# KiCad board left.kicad_pcb
title: Lakemountain Left; date: 2023-03-12; rev: 1; company: Lakemountain Keyboards
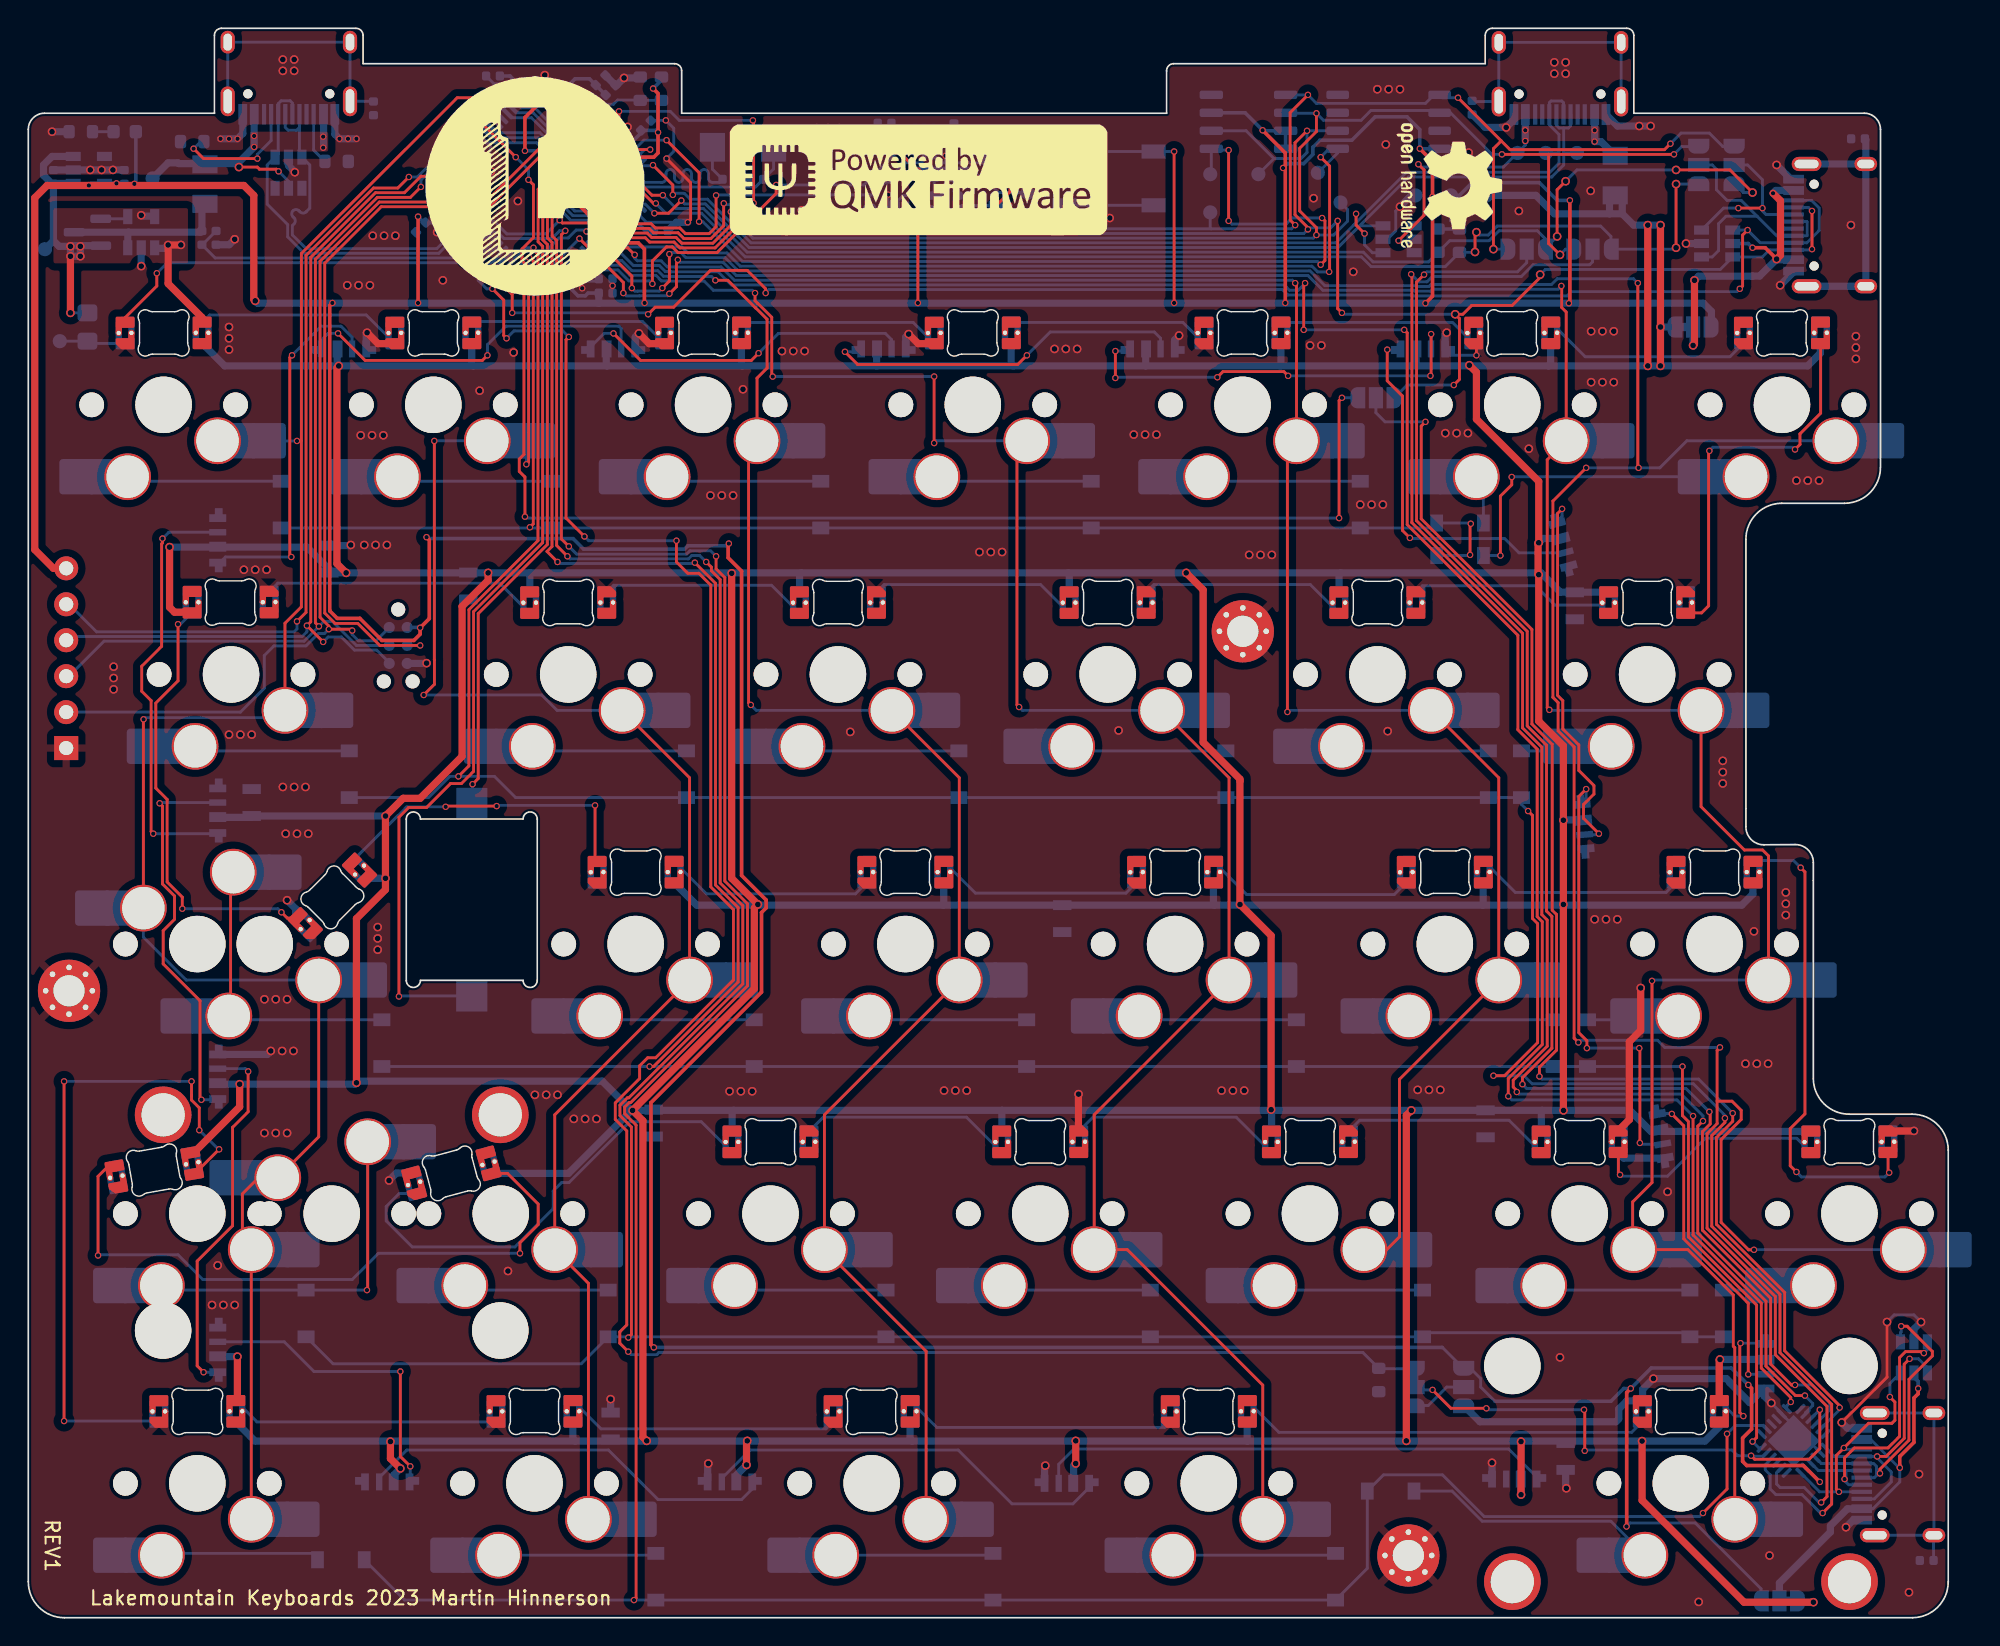
[diagram p0: board, top side]
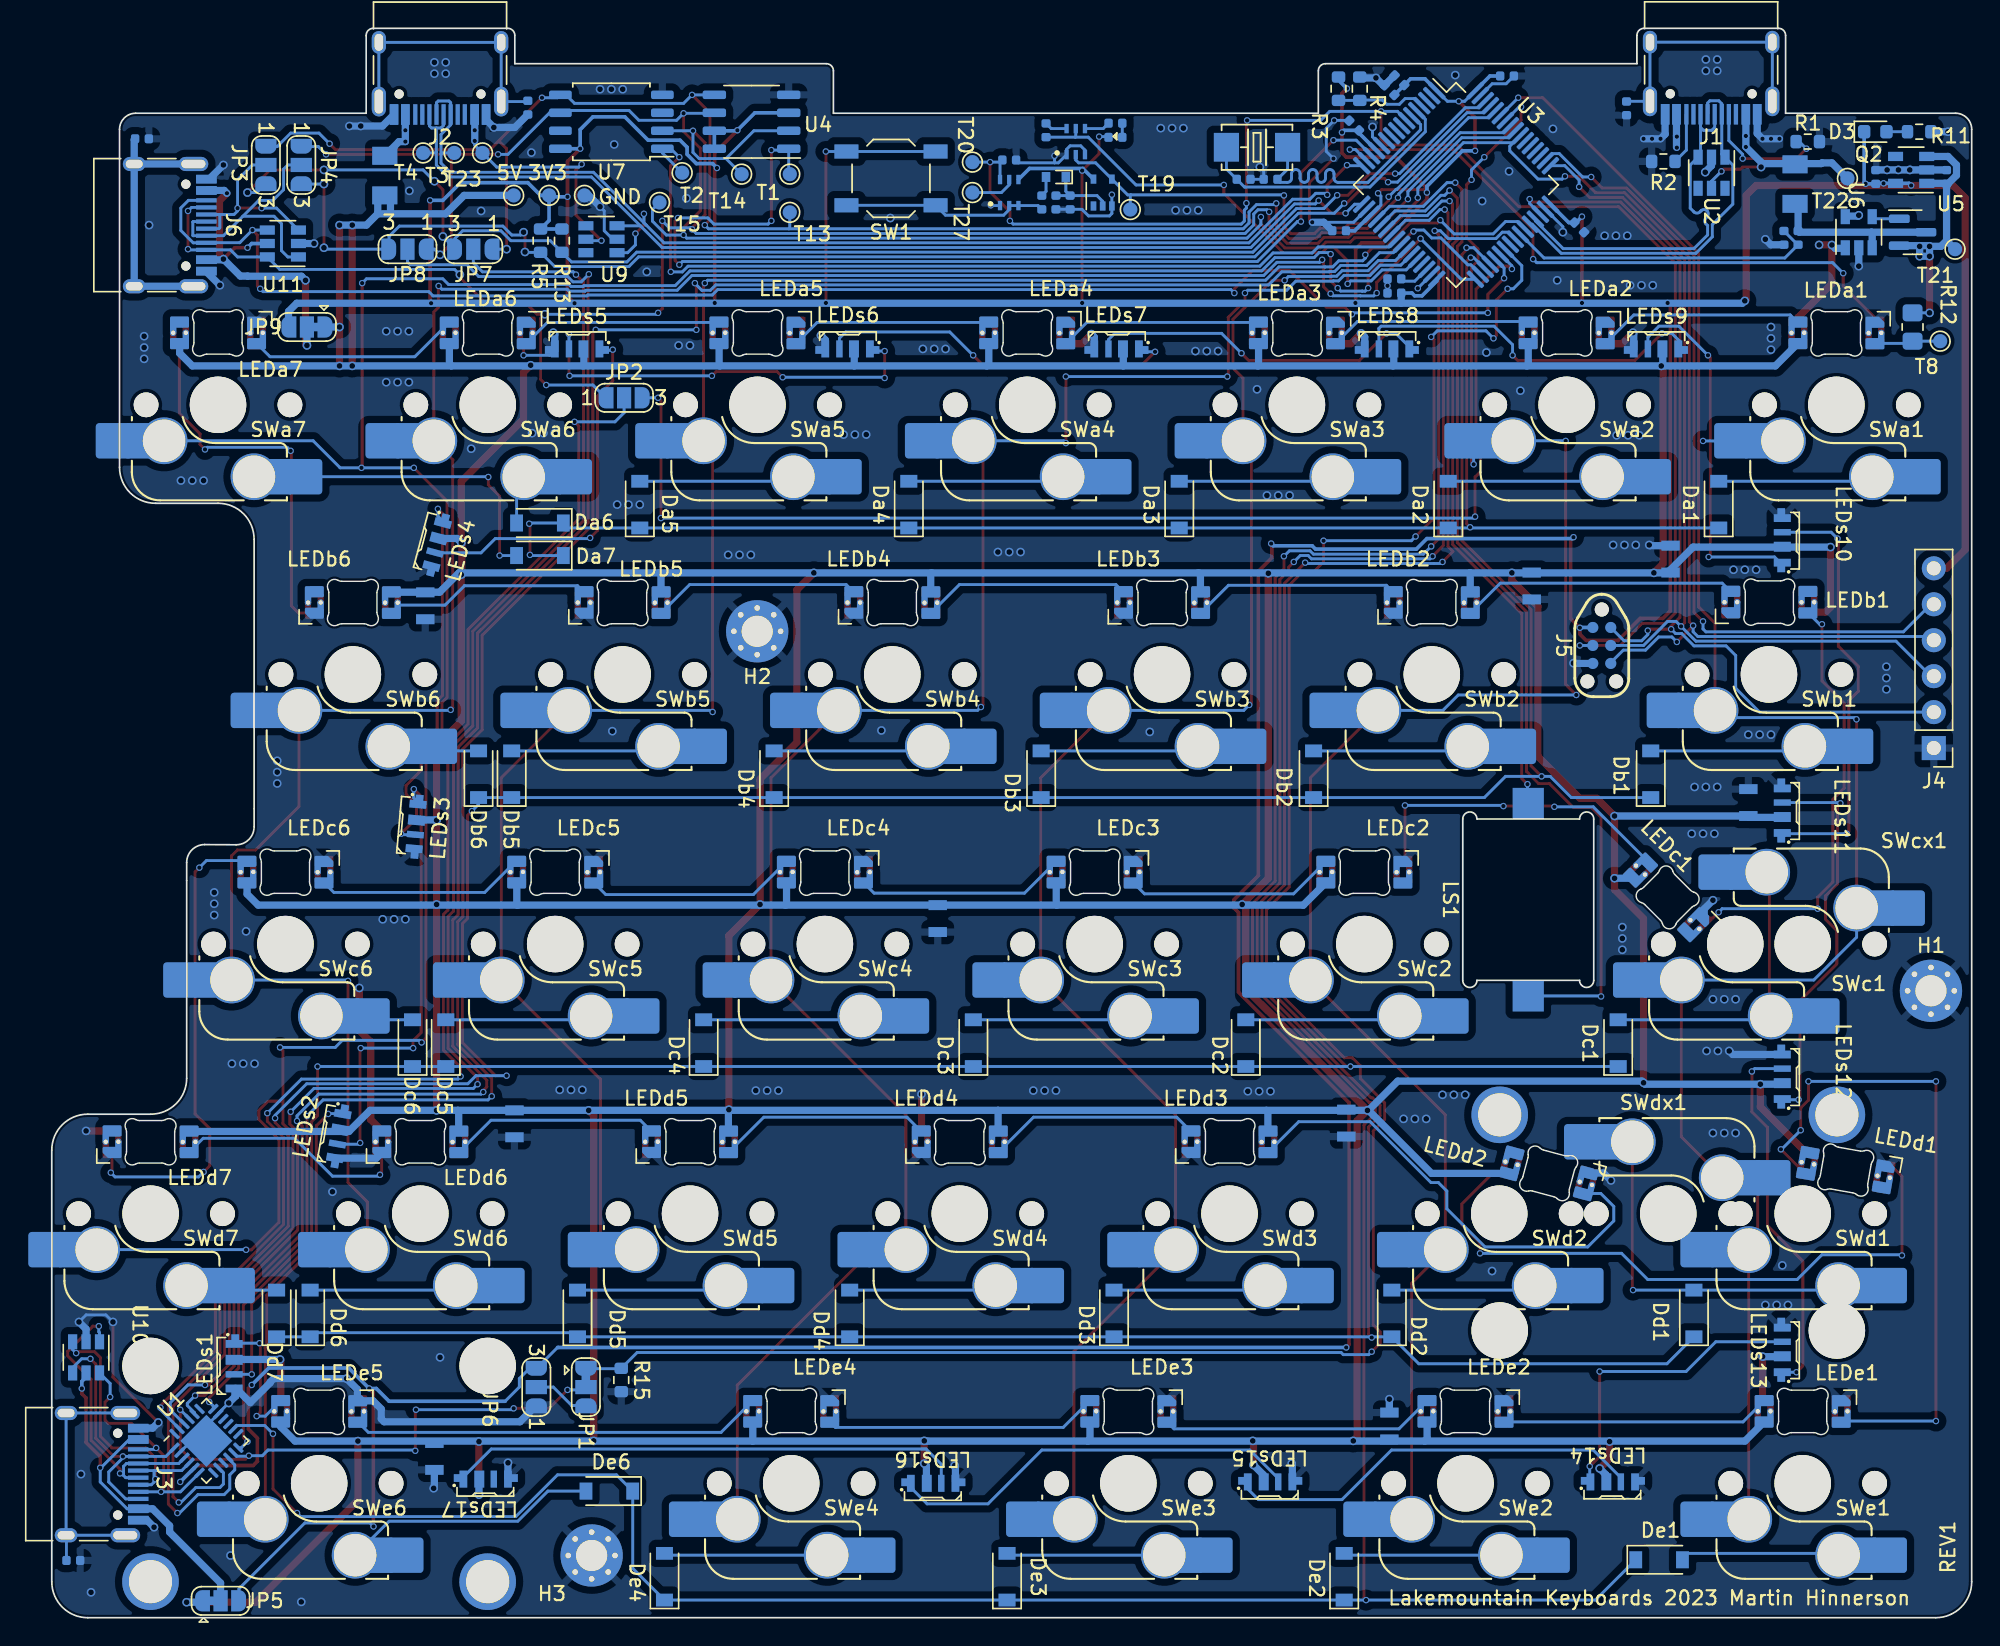
[diagram p1: board, bottom side, seen from below]

Outline 135.6 x 112.3 mm; copper layers: Top, Bottom. Coordinates in mm from the lower left corner of the outline.
Outline path: 0,105.16 arc(0.33,105.96) 1.14,106.3 13.14,106.3 13.14,111.8 arc(13.29,112.15) 13.64,112.3 23.14,112.3 arc(23.5,112.15) 23.64,111.8 23.64,109.8 45.64,109.8 arc(46,109.65) 46.14,109.3 46.14,106.3 80.39,106.3 80.39,109.3 arc(80.54,109.65) 80.89,109.8 102.89,109.8 102.89,111.8 arc(103.04,112.15) 103.39,112.3 112.89,112.3 arc(113.25,112.15) 113.39,111.8 113.39,106.3 129.67,106.3 arc(130.48,105.96) 130.81,105.16 130.81,81.28 arc(130.07,79.48) 128.27,78.74 123.85,78.74 arc(122.05,78) 121.31,76.2 121.31,55.88 arc(121.68,54.98) 122.58,54.61 124.8,54.62 arc(125.7,54.25) 126.07,53.35 126.07,38.11 arc(126.81,36.32) 128.61,35.57 133.06,35.57 arc(134.85,34.83) 135.6,33.03 135.6,2.54 arc(134.85,0.74) 133.06,0 2.54,0 arc(0.74,0.74) 0,2.54 0,105.16
Stack: Top 0.035mm / dielectric 1.51mm FR4 er 4.5 / Bottom 0.035mm

## Placement (name value [footprint] x y rotation side)
C1  cap_1uF_10v_0402  [C_0402_1005Metric]  1.77 101.79 90 bottom
C2  cap_100nF_16v_0402  [C_0402_1005Metric]  67.97 102.99 180 bottom
C3  cap_1uF_10v_0402  [C_0402_1005Metric]  6.77 101.79 90 bottom
C4  cap_10uF_10v_0402  [C_0402_1005Metric]  64.68 99.99 270 bottom
C5  cap_4.7uF_10v_0402  [C_0402_1005Metric]  40.77 94.59 0 bottom
C6  100n  [C_0805]  31.07 72.89 270 bottom
C7  100n  [C_0805]  41.13 13.54 90 bottom
C8  cap_20pF_50v_0402  [C_0402_1005Metric]  51.42 101.63 180 bottom
C9  cap_20pF_50v_0402  [C_0402_1005Metric]  49.52 101.63 0 bottom
C10  cap_100nF_16v_0402  [C_0402_1005Metric]  40.42 108.63 45 bottom
C11  cap_100nF_16v_0402  [C_0402_1005Metric]  41.12 107.93 45 bottom
C12  100n  [C_0805]  15.77 57.59 90 bottom
C13  cap_100nF_16v_0402  [C_0402_1005Metric]  32.82 108.93 180 bottom
C14  cap_100nF_16v_0402  [C_0402_1005Metric]  44.68 97.99 0 bottom
C15  cap_4.7uF_10v_0402  [C_0402_1005Metric]  40.77 93.59 0 bottom
C16  cap_100nF_16v_0402  [C_0402_1005Metric]  43.62 105.43 45 bottom
C17  cap_100nF_16v_0402  [C_0402_1005Metric]  27.72 98.23 225 bottom
C18  10u  [C_0805]  21.27 74.8 90 bottom
C19  100n  [C_0805]  109.22 71.5 270 bottom
C20  100n  [C_0805]  73.03 49.39 90 bottom
C21  100n  [C_0805]  102.92 34.9 270 bottom
C22  100n  [C_0805]  44.17 34.95 90 bottom
C23  100n  [C_0805]  108.57 11.39 270 bottom
D3  LED  [LED_0603_1608Metric]  6.81 104.99 180 bottom
D4  SMD-LED-WHITE_0402_  [LED_0402]  60.48 105.59 180 bottom
Da1  D  [D_SOD-123]  17.87 78.65 90 bottom
Da2  D  [D_SOD-123]  36.97 78.65 90 bottom
Da3  D  [D_SOD-123]  55.97 78.65 90 bottom
Da4  D  [D_SOD-123]  75.07 78.65 90 bottom
Da5  D  [D_SOD-123]  94.07 78.65 90 bottom
Da6  D  [D_SOD-123]  101.12 77.35 0 bottom
Da7  D  [D_SOD-123]  101.12 75.05 0 bottom
Db1  D  [D_SOD-123]  22.67 59.6 90 bottom
Db2  D  [D_SOD-123]  46.48 59.6 90 bottom
Db3  D  [D_SOD-123]  65.72 59.6 90 bottom
Db4  D  [D_SOD-123]  84.58 59.6 90 bottom
Db5  D  [D_SOD-123]  103.12 59.6 90 bottom
Db6  D  [D_SOD-123]  105.45 59.6 90 bottom
Dc1  D  [D_SOD-123]  24.97 40.6 90 bottom
Dc2  D  [D_SOD-123]  51.27 40.6 90 bottom
Dc3  D  [D_SOD-123]  70.51 40.6 90 bottom
Dc4  D  [D_SOD-123]  89.56 40.6 90 bottom
Dc5  D  [D_SOD-123]  107.77 40.6 90 bottom
Dc6  D  [D_SOD-123]  110.12 40.6 90 bottom
Dd1  D  [D_SOD-123]  19.62 21.5 90 bottom
Dd2  D  [D_SOD-123]  40.95 21.5 90 bottom
Dd3  D  [D_SOD-123]  60.57 21.5 90 bottom
Dd4  D  [D_SOD-123]  79.24 21.5 90 bottom
Dd5  D  [D_SOD-123]  98.47 21.5 90 bottom
Dd6  D  [D_SOD-123]  117.35 21.5 90 bottom
Dd7  D  [D_SOD-123]  119.72 21.5 90 bottom
De1  D  [D_SOD-123]  22.07 4.09 180 bottom
De2  D  [D_SOD-123]  44.32 2.9 90 bottom
De3  D  [D_SOD-123]  68.13 2.9 90 bottom
De4  D  [D_SOD-123]  92.32 2.9 90 bottom
De5  1N4148  [D_SOD-523]  64.68 101.79 0 bottom
De6  D  [D_SOD-123]  96.22 8.95 0 bottom
F1  3A  [F1206]  12.48 101.29 90 bottom
F2  1.5A  [F1206]  112.07 101.89 270 bottom
FB1  fb_0402_26ohm  [R_0402_1005Metric]  24.38 106.64 270 bottom
FB2  fb_0402_26ohm  [R_0402_1005Metric]  101.97 106.69 270 bottom
FB3  fb_0402_26ohm  [R_0402_1005Metric]  134.07 4.04 180 bottom
FB4  fb_0402_26ohm  [R_0402_1005Metric]  129.22 104.49 180 bottom
G***  -  [LOGO]  35.77 101.19 0 top
H1  M2  [MountingHole_2.2mm_M2_Pad_Via]  2.88 44.29 180 bottom
H2  M2  [MountingHole_2.2mm_M2_Pad_Via]  85.78 69.69 180 bottom
H3  M2  [MountingHole_2.2mm_M2_Pad_Via]  97.47 4.4 180 bottom
J1  USB_EXT  [USB_C_Receptacle_HRO_TYPE-C-31-M-12]  18.4 110.27 0 bottom
J2  USB_Conn_1  [USB_C_Receptacle_HRO_TYPE-C-31-M-12]  108.17 110.25 0 bottom
J3  USB_Link  [USB_C_Receptacle_HRO_TYPE-C-31-M-12]  133.53 10.14 270 bottom
J4  Conn_01x06  [PinHeader_1x06_P2.54mm_Vertical]  2.68 61.44 0 bottom
J5  JTAG_TC2030  [CON_TC2030_outlined]  26.13 68.69 270 bottom
J6  USB_Conn_2  [USB_C_Receptacle_HRO_TYPE-C-31-M-12]  128.72 98.39 270 bottom
JP1  MUX_SEL  [SolderJumper-3_P1.3mm_Bridged12_RoundedPad1.0x1.5mm]  97.88 16.29 270 bottom
JP2  SPI/I2C  [SolderJumper-3_P1.3mm_Open_RoundedPad1.0x1.5mm_NumberLabels]  95.17 86.19 180 bottom
JP3  SPI/I2C  [SolderJumper-3_P1.3mm_Open_RoundedPad1.0x1.5mm_NumberLabels]  120.47 102.64 270 bottom
JP4  SPI/I2C  [SolderJumper-3_P1.3mm_Open_RoundedPad1.0x1.5mm_NumberLabels]  117.97 102.64 270 bottom
JP5  5V/3V3  [SolderJumper-3_P1.3mm_Bridged12_RoundedPad1.0x1.5mm]  123.67 1.19 180 bottom
JP6  MUX_SEL  [SolderJumper-3_P1.3mm_Open_RoundedPad1.0x1.5mm_NumberLabels]  101.38 16.29 90 bottom
JP7  SPI/I2C  [SolderJumper-3_P1.3mm_Open_RoundedPad1.0x1.5mm_NumberLabels]  105.82 96.69 0 bottom
JP8  SPI/I2C  [SolderJumper-3_P1.3mm_Open_RoundedPad1.0x1.5mm_NumberLabels]  110.47 96.69 0 bottom
JP9  5V/3V3  [SolderJumper-3_P1.3mm_Bridged12_RoundedPad1.0x1.5mm]  117.57 91.19 0 bottom
LEDa1  MX_SK6812MINI-E  [LED_MX_6028R]  9.55 90.78 0 bottom
LEDa2  MX_SK6812MINI-E  [LED_MX_6028R]  28.61 90.78 0 bottom
LEDa3  MX_SK6812MINI-E  [LED_MX_6028R]  47.66 90.78 0 bottom
LEDa4  MX_SK6812MINI-E  [LED_MX_6028R]  66.71 90.78 0 bottom
LEDa5  MX_SK6812MINI-E  [LED_MX_6028R]  85.76 90.78 0 bottom
LEDa6  MX_SK6812MINI-E  [LED_MX_6028R]  104.81 90.78 0 bottom
LEDa7  MX_SK6812MINI-E  [LED_MX_6028R]  123.86 90.78 0 bottom
LEDb1  MX_SK6812MINI-E  [LED_MX_6028R_Flipped]  14.29 71.76 0 bottom
LEDb2  MX_SK6812MINI-E  [LED_MX_6028R_Flipped]  38.13 71.73 0 bottom
LEDb3  MX_SK6812MINI-E  [LED_MX_6028R_Flipped]  57.18 71.73 0 bottom
LEDb4  MX_SK6812MINI-E  [LED_MX_6028R_Flipped]  76.23 71.73 0 bottom
LEDb5  MX_SK6812MINI-E  [LED_MX_6028R_Flipped]  95.28 71.73 0 bottom
LEDb6  MX_SK6812MINI-E  [LED_MX_6028R_Flipped]  114.33 71.73 0 bottom
LEDc1  MX_SK6812MINI-E  [LED_MX_6028R_SOLO]  21.48 50.89 45 bottom
LEDc2  MX_SK6812MINI-E  [LED_MX_6028R]  42.89 52.68 0 bottom
LEDc3  MX_SK6812MINI-E  [LED_MX_6028R]  61.94 52.68 0 bottom
LEDc4  MX_SK6812MINI-E  [LED_MX_6028R]  80.99 52.68 0 bottom
LEDc5  MX_SK6812MINI-E  [LED_MX_6028R]  100.04 52.68 0 bottom
LEDc6  MX_SK6812MINI-E  [LED_MX_6028R]  119.09 52.68 0 bottom
LEDd1  MX_SK6812MINI-E  [LED_MX_6028R_SOLO]  8.9 31.63 10 bottom
LEDd2  MX_SK6812MINI-E  [LED_MX_6028R_SOLO]  29.88 31.39 15 bottom
LEDd3  MX_SK6812MINI-E  [LED_MX_6028R_Flipped]  52.42 33.63 0 bottom
LEDd4  MX_SK6812MINI-E  [LED_MX_6028R_Flipped]  71.47 33.63 0 bottom
LEDd5  MX_SK6812MINI-E  [LED_MX_6028R_Flipped]  90.52 33.63 0 bottom
LEDd6  MX_SK6812MINI-E  [LED_MX_6028R_Flipped]  109.57 33.63 0 bottom
LEDd7  MX_SK6812MINI-E  [LED_MX_6028R_Flipped]  128.62 33.63 0 bottom
LEDe1  MX_SK6812MINI-E  [LED_MX_6028R]  11.94 14.58 0 bottom
LEDe2  MX_SK6812MINI-E  [LED_MX_6028R]  35.75 14.58 0 bottom
LEDe3  MX_SK6812MINI-E  [LED_MX_6028R]  59.56 14.58 0 bottom
LEDe4  MX_SK6812MINI-E  [LED_MX_6028R]  83.37 14.58 0 bottom
LEDe5  MX_SK6812MINI-E  [LED_MX_6028R]  116.71 14.58 0 bottom
LEDs1  -  [sk6812side]  122.92 17.8 270 bottom
LEDs2  -  [sk6812side]  115.52 34.1 280 bottom
LEDs3  -  [sk6812side]  110.07 55.95 275 bottom
LEDs4  -  [sk6812side]  108.57 75.9 285 bottom
LEDs5  -  [sk6812side]  98.47 89.85 0 bottom
LEDs6  -  [sk6812side]  79.37 89.85 0 bottom
LEDs7  -  [sk6812side]  60.37 89.85 0 bottom
LEDs8  -  [sk6812side]  41.27 89.85 0 bottom
LEDs9  -  [sk6812side]  22.27 89.85 0 bottom
LEDs10  -  [sk6812side]  13.18 76.09 90 bottom
LEDs11  -  [sk6812side]  13.18 56.99 90 bottom
LEDs12  -  [sk6812side]  13.18 38.19 90 bottom
LEDs13  -  [sk6812side]  13.18 18.89 90 bottom
LEDs14  -  [sk6812side]  25.38 9.39 180 bottom
LEDs15  -  [sk6812side]  49.58 9.39 180 bottom
LEDs16  -  [sk6812side]  73.37 9.29 180 bottom
LEDs17  -  [sk6812side]  104.98 9.59 180 bottom
LOGO1  QMK Logo  [QMK_PoweredBy]  62.88 101.59 0 top
LOGO2  OH Logo  [OSHW-Logo2_9.8x8mm_SilkScreen]  100.38 101.19 270 top
LS1  Buzzer  [Buzzer_Mallory_AST1109MLTRQ]  31.32 50.73 270 bottom
Q1  MUN5311DW1T1G  [SOT-363_SC-70-6_SC-88]  67.97 100.69 270 bottom
Q2  AO3401A  [SOT-23]  4.18 97.89 180 bottom
Q3  MUN5311DW1T1G  [SOT-363_SC-70-6_SC-88]  63.27 104.29 270 bottom
R1  5.1k  [R_0603_1608Metric]  11.57 104.29 0 bottom
R2  5.1k  [R_0603_1608Metric]  21.77 102.89 180 bottom
R3  10k  [R_0603_1608Metric]  44.72 108.03 270 bottom
R4  10k  [R_0603_1608Metric]  43.22 108.03 90 bottom
R5  5.1k  [R_0603_1608Metric]  101.07 97.29 270 bottom
R6  r_75_0402_1p  [R_0402_1005Metric]  65.67 99.99 90 bottom
R7  r_4.7k_0402_1p  [R_0402_1005Metric]  12.26 97.49 270 bottom
R8  r_10k_0402_1p  [R_0402_1005Metric]  13.26 97.49 270 bottom
R9  r_100k_0402_1p  [R_0402_1005Metric]  63.68 99.99 270 bottom
R10  r_470_0402_1p  [R_0402_1005Metric]  65.38 105.09 270 bottom
R11  2k2  [R_0603_1608Metric]  3.71 104.99 180 bottom
R12  5.1k  [R_0805_2012Metric_Pad1.20x1.40mm_HandSolder]  4.18 91.19 90 bottom
R13  5.1k  [R_0603_1608Metric]  99.56 97.29 270 bottom
R14  r_75_0402_1p  [R_0402_1005Metric]  60.48 104.59 180 bottom
R15  10k  [R_0603_1608Metric]  95.38 16.79 270 bottom
S1  MX_stab  [STAB_MX_P_2.25u]  21.43 28.55 0 top
S2  MX_stab  [STAB_MX_P_2.25u]  116.72 9.53 180 top
SW1  Reset  [SW_SPST_TL3342]  76.32 101.69 0 bottom
SWa1  MX_SW_HS  [SW_MX_HS_1u]  9.55 85.7 0 bottom
SWa2  MX_SW_HS  [SW_MX_HS_1u]  28.61 85.7 0 bottom
SWa3  MX_SW_HS  [SW_MX_HS_1u]  47.66 85.7 0 bottom
SWa4  MX_SW_HS  [SW_MX_HS_1u]  66.71 85.7 0 bottom
SWa5  MX_SW_HS  [SW_MX_HS_1u]  85.76 85.7 0 bottom
SWa6  MX_SW_HS  [SW_MX_HS_1u]  104.81 85.7 0 bottom
SWa7  MX_SW_HS  [SW_MX_HS_1u]  123.86 85.7 0 bottom
SWb1  MX_SW_HS  [SW_MX_HS_1.5u]  14.32 66.65 0 bottom
SWb2  MX_SW_HS  [SW_MX_HS_1u]  38.13 66.65 0 bottom
SWb3  MX_SW_HS  [SW_MX_HS_1u]  57.18 66.65 0 bottom
SWb4  MX_SW_HS  [SW_MX_HS_1u]  76.23 66.65 0 bottom
SWb5  MX_SW_HS  [SW_MX_HS_1u]  95.28 66.65 0 bottom
SWb6  MX_SW_HS  [SW_MX_HS_1u]  114.33 66.65 0 bottom
SWc1  MX_SW_HS  [SW_MX_HS_1.75u]  16.7 47.6 0 bottom
SWc2  MX_SW_HS  [SW_MX_HS_1u]  42.89 47.6 0 bottom
SWc3  MX_SW_HS  [SW_MX_HS_1u]  61.94 47.6 0 bottom
SWc4  MX_SW_HS  [SW_MX_HS_1u]  80.99 47.6 0 bottom
SWc5  MX_SW_HS  [SW_MX_HS_1u]  100.04 47.6 0 bottom
SWc6  MX_SW_HS  [SW_MX_HS_1u]  119.09 47.6 0 bottom
SWcx1  MX_SW_HS  [SW_MX_HS_1.75u_stp]  11.94 47.6 180 bottom
SWd1  MX_SW_HS  [SW_MX_HS_1.25u]  11.94 28.55 0 bottom
SWd2  MX_SW_HS  [SW_MX_HS_1u]  33.37 28.55 0 bottom
SWd3  MX_SW_HS  [SW_MX_HS_1u]  52.42 28.55 0 bottom
SWd4  MX_SW_HS  [SW_MX_HS_1u]  71.47 28.55 0 bottom
SWd5  MX_SW_HS  [SW_MX_HS_1u]  90.52 28.55 0 bottom
SWd6  MX_SW_HS  [SW_MX_HS_1u]  109.57 28.55 0 bottom
SWd7  MX_SW_HS  [SW_MX_HS_1u]  128.62 28.55 0 bottom
SWdx1  MX_SW_HS  [SW_MX_HS_2.25u]  21.43 28.55 180 bottom
SWe1  MX_SW_HS  [SW_MX_HS_1.25u]  11.94 9.5 0 bottom
SWe2  MX_SW_HS  [SW_MX_HS_1.25u]  35.75 9.5 0 bottom
SWe3  MX_SW_HS  [SW_MX_HS_1.25u]  59.56 9.5 0 bottom
SWe4  MX_SW_HS  [SW_MX_HS_1.25u]  83.37 9.5 0 bottom
SWe6  MX_SW_HS  [SW_MX_HS_2.25u]  116.71 9.5 0 bottom
T1  TP  [TestPoint_Pad_D1.0mm]  83.47 101.99 180 bottom
T2  TP  [TestPoint_Pad_D1.0mm]  91.07 102.09 180 bottom
T3  TP  [TestPoint_Pad_D1.0mm]  107.17 103.49 180 bottom
T4  TP  [TestPoint_Pad_D1.0mm]  109.38 103.49 180 bottom
T8  TP  [TestPoint_Pad_D1.0mm]  2.23 90.19 180 bottom
T13  TP  [TestPoint_Pad_D1.0mm]  83.47 99.29 180 bottom
T14  TP  [TestPoint_Pad_D1.0mm]  86.88 101.99 180 bottom
T15  TP  [TestPoint_Pad_D1.0mm]  92.67 99.99 180 bottom
T19  TP  [TestPoint_Pad_D1.0mm]  59.43 99.49 180 bottom
T20  TP  [TestPoint_Pad_D1.0mm]  70.57 102.84 90 bottom
T21  TP  [TestPoint_Pad_D1.0mm]  1.18 96.69 180 bottom
T22  TP  [TestPoint_Pad_D1.0mm]  8.77 101.69 180 bottom
T23  TP  [TestPoint_Pad_D1.0mm]  105.17 103.49 180 bottom
T24  3V3  [TestPoint_Pad_D1.0mm]  100.47 100.49 180 bottom
T25  5V  [TestPoint_Pad_D1.0mm]  102.97 100.49 180 bottom
T26  GND  [TestPoint_Pad_D1.0mm]  97.97 100.49 180 bottom
T27  GND  [TestPoint_Pad_D1.0mm]  70.57 100.69 90 bottom
U1  TS3A27518ERTW  [WQFN-24-1EP_4x4mm_P0.5mm_EP2.6x2.6mm]  124.67 12.49 135 bottom
U2  SRV05-4  [SOT-23-6]  18.38 102.09 270 bottom
U3  STM32F411RETx  [LQFP-64_10x10mm_P0.5mm]  36.42 101.23 225 bottom
U4  MB85RS64PNF-G-JNERE1  [SOP-8_3.9x4.9mm_P1.27mm]  86.17 105.69 0 bottom
U5  AAP2967-33VIR1  [SOT-23-5]  4.27 102.29 180 bottom
U6  LMV321  [SOT-23-5]  7.98 97.89 270 bottom
U7  W25Q128JVSIQ  [SOIC-8_5.23x5.23mm_P1.27mm]  96.07 105.69 0 bottom
U8  SN74LV1T34DCKR  [SOT-353_SC-70-5]  61.38 100.69 270 bottom
U9  SRV05-4  [SOT-23-6]  96.78 97.39 0 bottom
U10  SRV05-4  [SOT-23-6]  133.17 18.39 270 bottom
U11  SRV05-4  [SOT-23-6]  119.28 97.09 0 bottom
Y1  SMD-CRYSTAL-8MHZ-20PF-10PPM_2P-5.0X3.2MM_  [X2-SMD-5.0X3.2X1.3MM]  50.48 103.89 180 bottom

## Library data of the parts
C1 C3 = -: Display value: 1uF; LCSC: C52923; MPN: CC0402KRX5R6BB105; Mfg: Yageo
C2 C10 C11 C13 C14 C16 C17 = -: Display value: 0.1uF; LCSC: C1525; MPN: CL05B104KO5NNNC; Mfg: Samsung
C4 = -: Display value: 10uF; LCSC: C19702; MPN: CL10A106KP8NNNC; Mfg: Samsung
C5 C15 = -: Display value: 4.7uF; LCSC: C23733; MPN: CL05A475MP5NRNC; Mfg: Samsung
C6 C7 C12 C19-C23 = -: Description: Unpolarized capacitor; LCSC: C495959
C8 C9 = -: Display value: 20pF; LCSC: C1554; MPN: 0402CG200J500NT; Mfg: Guangdong Fenghua Advanced Tech
C18 = -: Description: Unpolarized capacitor; LCSC: C90544
D3 = -: JLCPCB BOM: 0; LCSC: C72041; LCSC Part: C72041
D4 = -: LCSC: C74342; MPN: 16-219A/T2D-AR2T1QY/3T
Da1-Da7 Db1-Db6 Dc1-Dc6 Dd1-Dd7 De1-De4 De6 = -: Description: Diode; LCSC: C81598
De5 = -: Description: Diode; LCSC: C68948
F1 = -: LCSC: C89656; MPN: SMD0805-050
F2 = -: LCSC: C89655; MPN: SMD0805-050
FB1-FB4 = -: Display value: 26ohm; LCSC: C668229; MPN: CBG100505U260T; Mfg: FH
H1-H3 = -: Description: Mounting Hole with connection
J1-J3 J6 = -: LCSC: C165948; Mouser: C165948
J4 = -: Description: Generic connector, single row, 01x06, script generated (kicad-library-utils/schlib/autogen/connector/)
J5 = -: Description: 6-pin TC2030 connector for JTAG programming
JP1 JP5 JP9 = -: Description: 3-pole Solder Jumper, pins 1+2 closed/bridged
JP2-JP4 JP6-JP8 = -: Description: Solder Jumper, 3-pole, open
LEDa1-LEDa7 LEDb1-LEDb6 LEDc1-LEDc6 LEDd1-LEDd7 LEDe1-LEDe5 = -: Description: Reverse mount adressable LED (WS2812 protocol); LCSC: C5149201; Field5: 1
LEDs1-LEDs17 = -: Description: Reverse mount adressable LED (WS2812 protocol); LCSC: C2890037
LOGO1 LOGO2 = -: Description: Fiducial Marker
LS1 = -: LCSC: C201047
Q1 Q3 = -: Description: 1NPN,1PNP Pre-biased dual transistor, 10K/10K, SOT-23; LCSC: C152542
Q2 = -: Description: -4.0A Id, -30V Vds, P-Channel MOSFET, SOT-23; JLCPCB BOM: 1; LCSC: C15127; LCSC Part: C15127
R1 R2 R5 R12 R13 = -: LCSC: C104384; Mouser: C27834
R3 R15 = -: JLCPCB BOM: 1; LCSC: C25804
R4 = -: JLCPCB BOM: 0; LCSC: C25804
R6 R14 = -: Display value: 75; LCSC: C25133; MPN: 0402WGF750JTCE; Mfg: Uniroyal
R7 = -: Display value: 4.7k; LCSC: C25900; MPN: 0402WGF4701TCE
R8 = -: Display value: 10k; LCSC: C25744; MPN: 0402WGF1002TCE
R9 = -: Display value: 100k; LCSC: C25741; MPN: 0402WGF1003TCE
R10 = -: Display value: 470; LCSC: C25117; MPN: 0402WGF4700TCE; Mfg: Uniroyal
R11 = -: LCSC: C4190
S1 S2 = -: Description: Cherry MX-style stabilizer; JLCPCB BOM: 0
SW1 = -: LCSC: C318884; Mouser: C318884
SWa1-SWa7 SWb1-SWb6 SWc1-SWc6 SWd1-SWd7 SWe1-SWe4 SWe6 = -: Description: Push button switch, normally open, two pins, 45° tilted; LCSC: C2803348
SWcx1 SWdx1 = -: Description: Push button switch, normally open, two pins, 45° tilted; JLCPCB BOM: 0; LCSC: C2803348
T1-T4 T8 T13-T15 T19-T27 = -: Description: test point
U1 = -: Description: 6-channel analog mux, WQFN-24; LCSC: C2651937
U2 U9-U11 = -: Description: ESD Protection Diodes with Low Clamping Voltage, SOT-23-6; LCSC: C85364
U3 = -: Description: ARM Cortex-M4 MCU, 512KB flash, 128KB RAM, 100MHz, 1.7-3.6V, 50 GPIO, LQFP-64
U4 = -: Description: 64Kb serial FRAM nonvolatile Memory, SOP-8; LCSC: C8741
U5 = -: Description: 300mA Low-dropout Voltage Regulator, Vout 3.3V, Vin up to 5.5V, SOT-23; LCSC: C370742
U6 = -: Description: Low-Voltage Rail-to-Rail Output Operational Amplifiers, SOT-23-5/SC-70-5; JLCPCB BOM: 1; LCSC: C90297; LCSC Part: C90297
U7 = -: Description: 128Mb Serial Flash Memory, Standard/Dual/Quad SPI, SOIC-8; LCSC: C97521
U8 = -: Description: Single Buffer, SC70-5; LCSC: C78541
Y1 = -: LCSC: C115962; MPN: X50328MSB2GI
